# KiCad board Master Timing Card.kicad_pcb
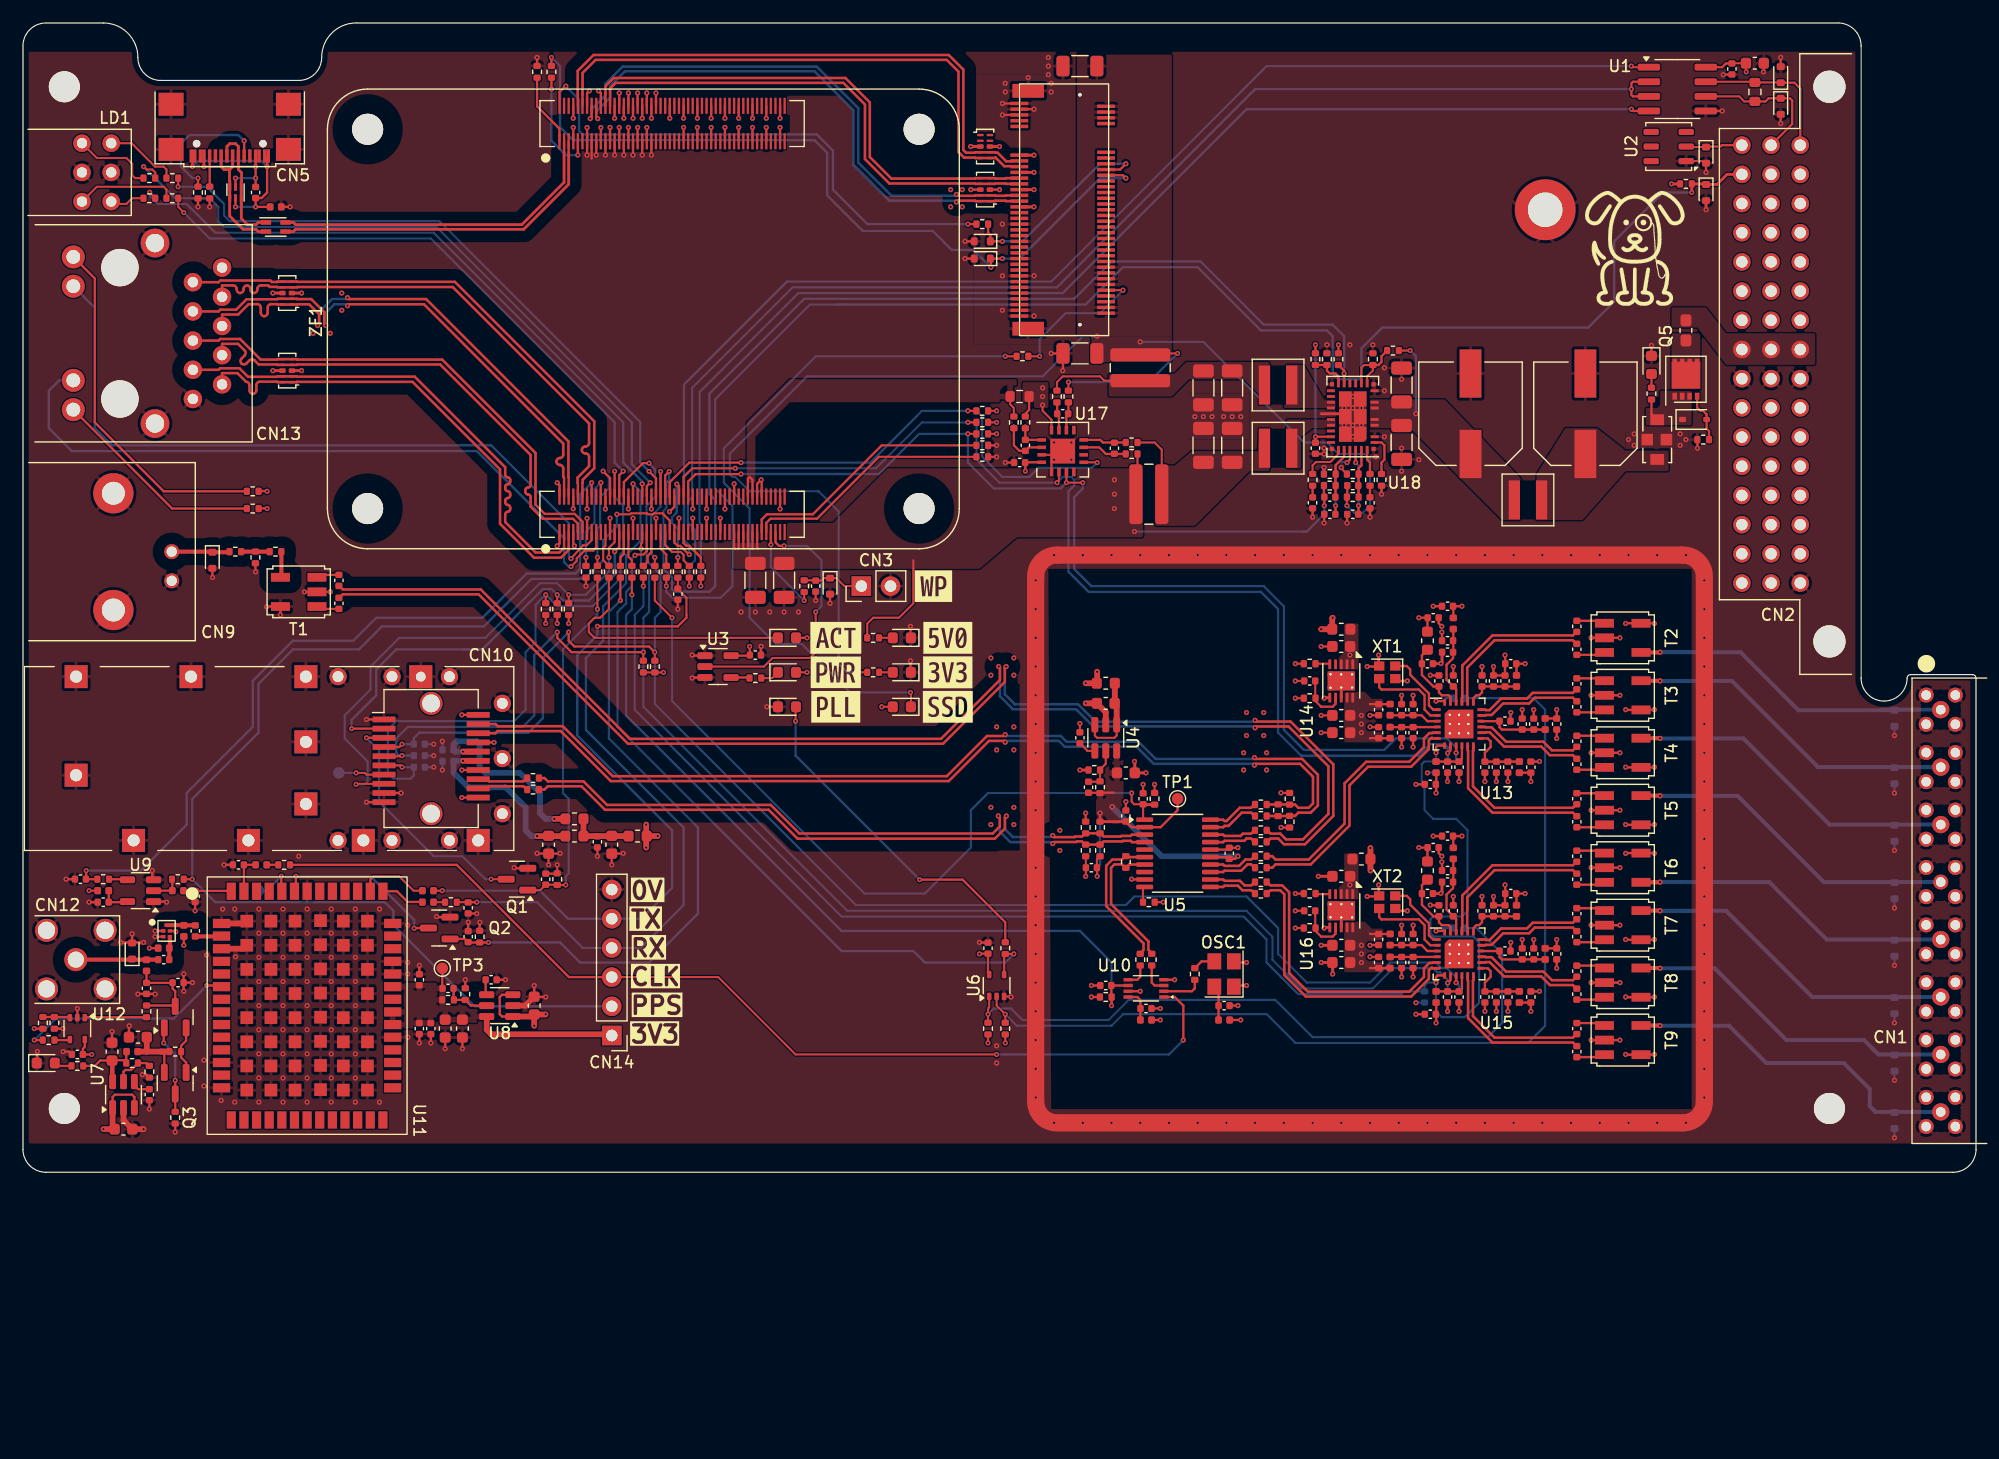
[diagram p0: board, top side]
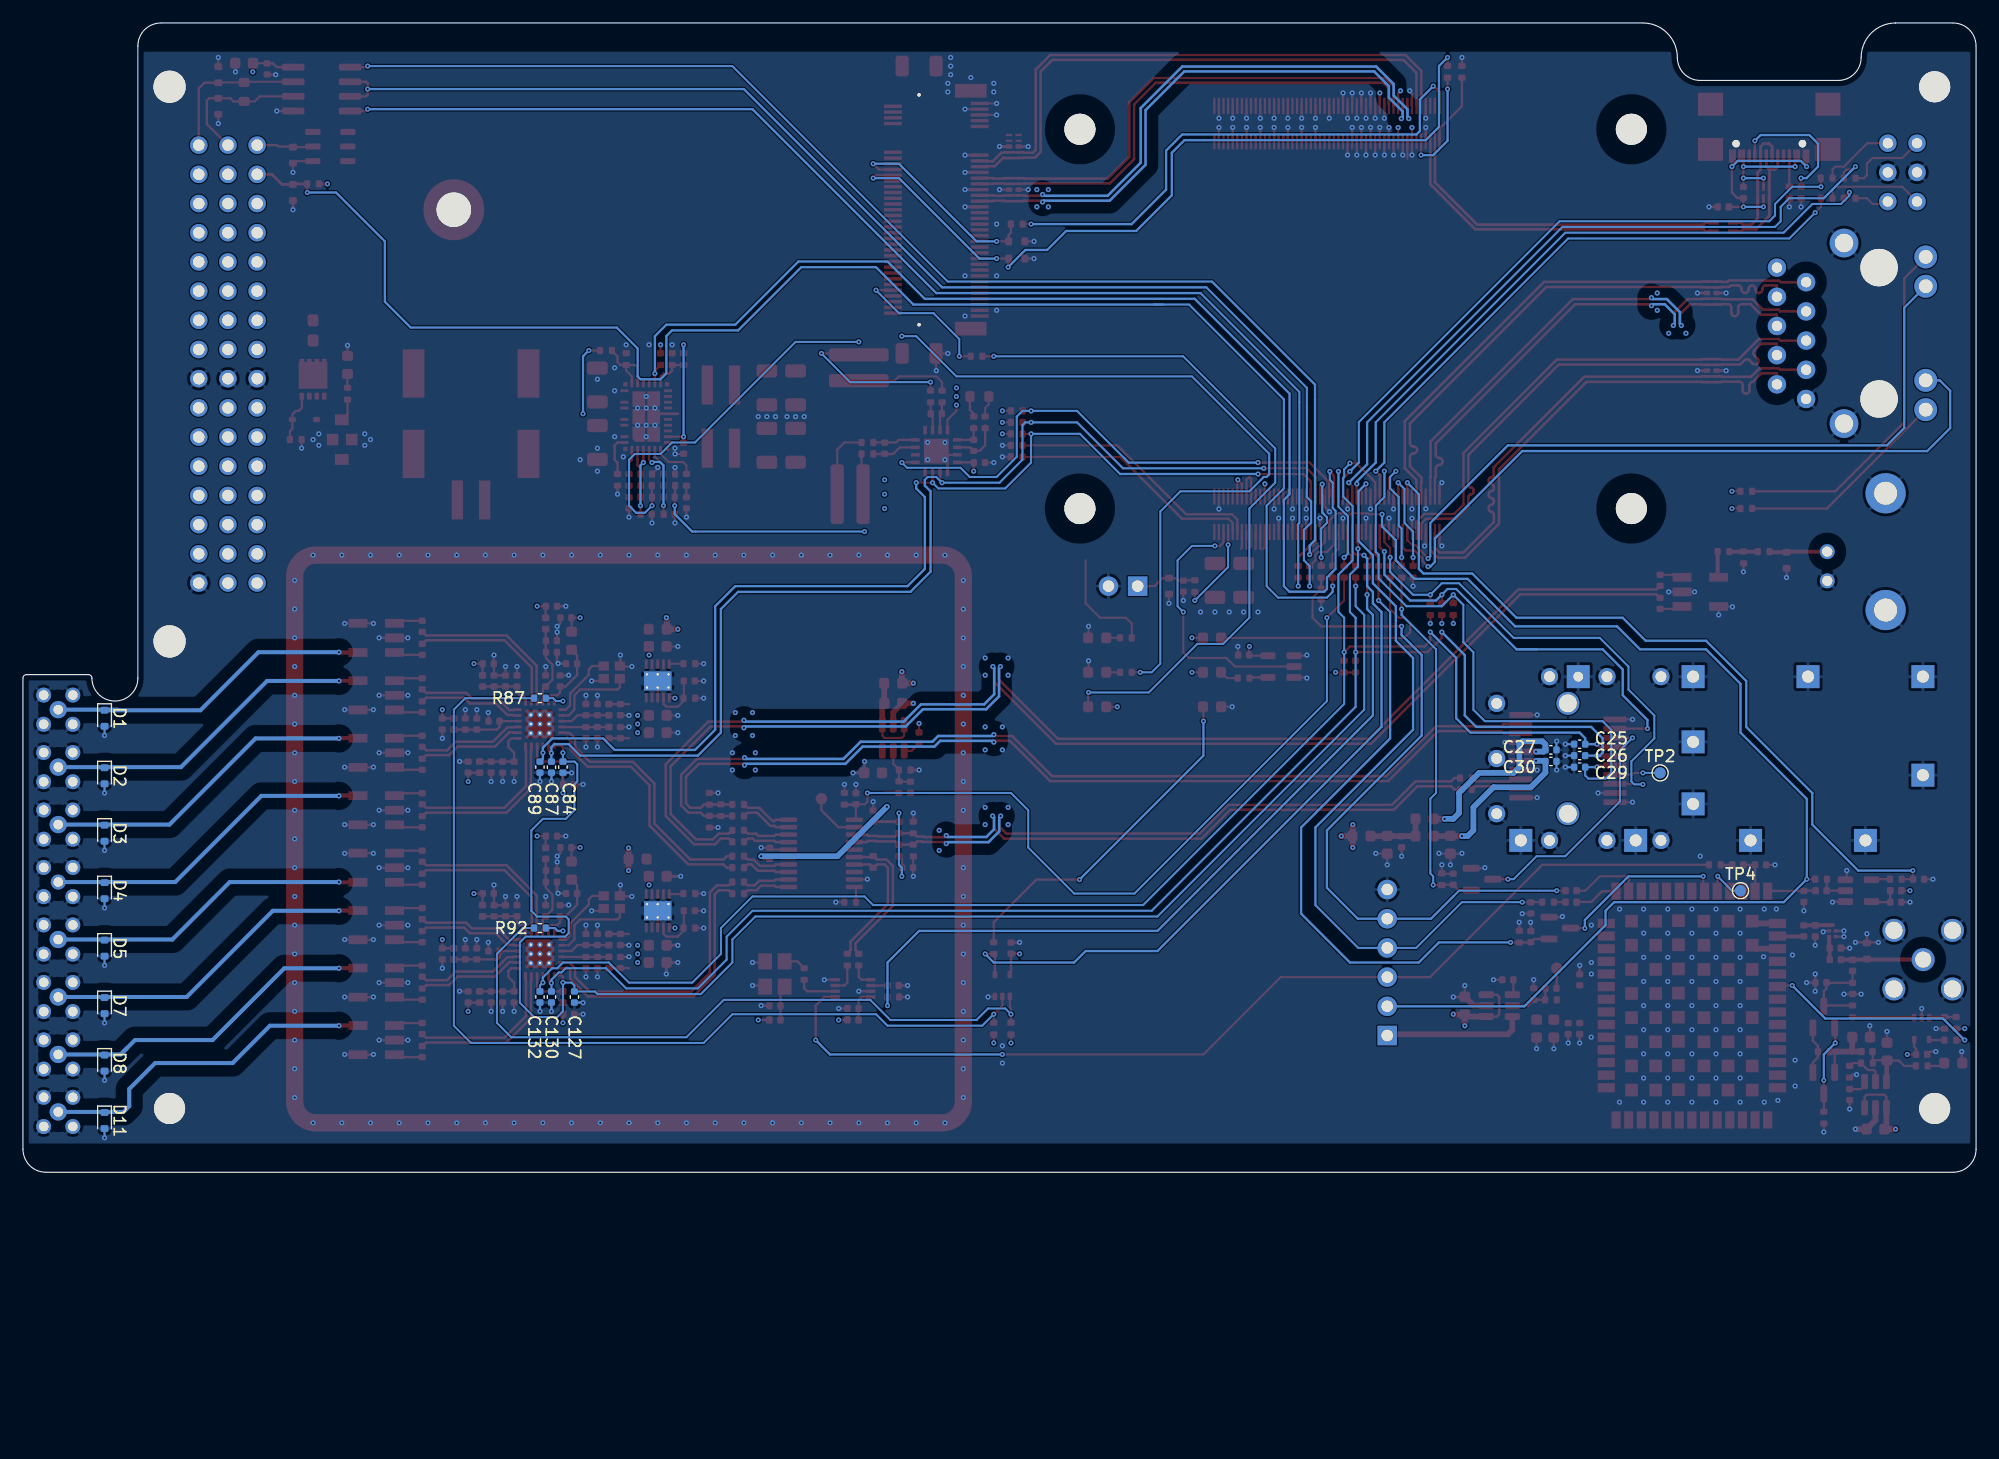
[diagram p1: board, bottom side, seen from below]

Outline 170 x 100 mm; copper layers: Top, In1.Cu, In2.Cu, Bottom. Coordinates in mm from the lower left corner of the outline.
Outline path: 0,98 0,2 arc(0.59,0.59) 2,0 168,0 arc(169.41,0.59) 170,2 170,43 arc(169.91,43.21) 169.7,43.3 164.3,43.3 arc(164.09,43.21) 164,43 arc(163.41,41.59) 162,41 arc(160.59,41.59) 160,43 160,98 arc(159.41,99.41) 158,100 29,100 arc(26.88,99.12) 26,97 arc(25.41,95.59) 24,95 12,95 arc(10.59,95.59) 10,97 arc(9.12,99.12) 7,100 2,100 arc(0.59,99.41) 0,98
Stack: Top 0.035mm / dielectric 0.1mm 7628 er 4.5 / In1.Cu 0.035mm / dielectric 1.2856mm FR4 er 4.5 / In2.Cu 0.035mm / dielectric 0.1mm 7628 er 4.5 / Bottom 0mm

## Placement (name value [footprint] x y rotation side)
C1  10u  [C_0603_1608Metric]  150.75 96.5 0 top
C2  100n  [C_0402_1005Metric]  148.75 96 270 top
C3  100n  [C_0402_1005Metric]  63.75 45 0 top
C4  22u  [C_1206_3216Metric]  63.75 51.5 270 top
C5  22u  [C_1206_3216Metric]  66.25 51.5 270 top
C6  100n  [C_0402_1005Metric]  69 51 270 top
C7  1u  [C_0402_1005Metric]  87.25 63.25 270 top
C8  100n  [C_0402_1005Metric]  20.25 85.25 270 top
C9  22u  [C_1206_3216Metric]  92 71.25 180 top
C10  22u  [C_1206_3216Metric]  92 96.25 180 top
C11  10u  [C_0603_1608Metric]  94.25 40.8 180 top
C12  100n  [C_0402_1005Metric]  92 37.8 90 top
C13  100n  [C_0402_1005Metric]  93 26.5 180 top
C14  15p  [C_0402_1005Metric]  92.75 33.5 90 top
C15  10u  [C_0603_1608Metric]  96 34.75 0 top
C16  100n  [C_0402_1005Metric]  97.5 32.5 90 top
C17  100n  [C_0402_1005Metric]  105 27.75 90 top
C18  100n  [C_0402_1005Metric]  96 31 90 top
C19  100n  [C_0402_1005Metric]  84 19.5 90 top
C20  100n  [C_0402_1005Metric]  27.5 51.5 90 top
C21  100n  [C_0402_1005Metric]  27.5 49.5 270 top
C22  100n  [C_0402_1005Metric]  45.5 25.5 90 top
C23  10u  [C_0603_1608Metric]  51.25 28.5 270 top
C24  100n  [C_0402_1005Metric]  50 28.75 270 top
C25  100p  [C_0402_1005Metric]  34.5 37.25 0 bottom
C26  100p  [C_0402_1005Metric]  34.5 36.25 0 bottom
C27  100n  [C_0402_1005Metric]  37 36.75 180 bottom
C28  10u  [C_0603_1608Metric]  45.75 28.5 270 top
C29  100p  [C_0402_1005Metric]  34.5 35.25 0 bottom
C30  100n  [C_0402_1005Metric]  37 35.75 180 bottom
C31  100p  [C_0402_1005Metric]  5 25.5 180 top
C32  10u  [C_0603_1608Metric]  8.75 3.75 0 top
C33  10u  [C_0603_1608Metric]  44.5 14.5 90 top
C34  100n  [C_0402_1005Metric]  11 6.75 270 top
C35  100n  [C_0402_1005Metric]  40.75 16.75 0 top
C36  100n  [C_0402_1005Metric]  97.75 14.25 0 top
C37  100n  [C_0402_1005Metric]  6.98 23.5 180 top
C38  100n  [C_0402_1005Metric]  94.25 16.25 180 top
C39  100p  [C_0402_1005Metric]  14.98 24 270 top
C40  15p  [C_0402_1005Metric]  37 16 0 top
C41  10u  [C_0603_1608Metric]  7.75 10.5 90 top
C42  10u  [C_0603_1608Metric]  38.25 12.5 270 top
C43  10u  [C_0603_1608Metric]  36.75 12.5 270 top
C44  22p  [C_0402_1005Metric]  18.75 26.75 180 top
C45  100n  [C_0402_1005Metric]  104.55 14.5 0 top
C46  100p  [C_0402_1005Metric]  38.75 23 270 top
C47  100p  [C_0402_1005Metric]  57 50.3 270 top
C48  100n  [C_0402_1005Metric]  38.75 20.5 90 top
C49  10u  [C_0603_1608Metric]  10 11.75 180 top
C50  100n  [C_0402_1005Metric]  34.5 16.75 90 top
C51  100n  [C_0402_1005Metric]  35.5 12.5 270 top
C52  100n  [C_0402_1005Metric]  34.5 12.5 270 top
C53  100n  [C_0402_1005Metric]  13.5 16.5 0 top
C54  4n7  [C_0402_1005Metric]  10.75 16 270 top
C55  47p  [C_0402_1005Metric]  15 21 270 top
C56  100n  [C_0402_1005Metric]  4.73 10.25 180 top
C57  47p  [C_0402_1005Metric]  12.25 18.5 180 top
C58  100n  [C_0402_1005Metric]  124 49.25 180 top
C59  100n  [C_0402_1005Metric]  129.5 44.25 180 top
C60  100n  [C_0402_1005Metric]  133.5 39 270 top
C61  100n  [C_0402_1005Metric]  131.25 35.25 90 top
C62  100n  [C_0402_1005Metric]  118 40.25 270 top
C63  100n  [C_0402_1005Metric]  118 38.25 90 top
C64  100n  [C_0402_1005Metric]  122.75 48.25 0 top
C65  10u  [C_0402_1005Metric]  124 46.25 180 top
C66  10u  [C_0402_1005Metric]  129 42.75 90 top
C67  10u  [C_0402_1005Metric]  131.5 39 90 top
C68  10u  [C_0402_1005Metric]  129.25 35.25 270 top
C69  10u  [C_0402_1005Metric]  120 40.25 90 top
C70  10u  [C_0402_1005Metric]  120 38.25 270 top
C71  10u  [C_0402_1005Metric]  122.25 44.25 0 top
C72  100n  [C_0402_1005Metric]  124 45.25 180 top
C73  100n  [C_0402_1005Metric]  128 42.75 90 top
C74  100n  [C_0402_1005Metric]  130.5 39 90 top
C75  100n  [C_0402_1005Metric]  128.25 35.25 270 top
C76  100n  [C_0402_1005Metric]  121 40.25 90 top
C77  100n  [C_0402_1005Metric]  121 38.25 270 top
C78  100n  [C_0402_1005Metric]  123.25 42.75 90 top
C79  4n7  [C_0402_1005Metric]  124.5 42.75 90 top
C80  4n7  [C_0402_1005Metric]  127 42.75 90 top
C81  4n7  [C_0402_1005Metric]  129 39.25 0 top
C82  4n7  [C_0402_1005Metric]  127.25 35.25 270 top
C83  100n  [C_0402_1005Metric]  122.5 33.75 180 top
C84  100p  [C_0402_1005Metric]  123 35.25 270 bottom
C85  10u  [C_0603_1608Metric]  114.75 45.75 180 top
C86  10u  [C_0402_1005Metric]  124 35.25 270 top
C87  100p  [C_0402_1005Metric]  124 35.25 270 bottom
C88  100n  [C_0402_1005Metric]  125 35.25 270 top
C89  100p  [C_0402_1005Metric]  125 35.25 270 bottom
C90  1u  [C_0402_1005Metric]  112 42.75 180 top
C91  10u  [C_0603_1608Metric]  114.75 39.75 180 top
C92  10u  [C_0603_1608Metric]  114.75 38.25 180 top
C93  100n  [C_0402_1005Metric]  135.25 45.5 270 top
C94  100n  [C_0402_1005Metric]  135.25 47.5 90 top
C95  100n  [C_0402_1005Metric]  135.25 42.5 90 top
C96  100n  [C_0402_1005Metric]  135.25 40.5 270 top
C97  100n  [C_0402_1005Metric]  135.25 37.5 90 top
C98  100n  [C_0402_1005Metric]  135.25 35.5 270 top
C99  100n  [C_0402_1005Metric]  135.25 32.5 90 top
C100  100n  [C_0402_1005Metric]  135.25 30.5 270 top
C101  100n  [C_0402_1005Metric]  124 29.25 180 top
C102  100n  [C_0402_1005Metric]  129.5 24.25 180 top
C103  100n  [C_0402_1005Metric]  133.5 19 270 top
C104  100n  [C_0402_1005Metric]  131.25 15.25 90 top
C105  100n  [C_0402_1005Metric]  118 20.25 270 top
C106  100n  [C_0402_1005Metric]  118 18.25 90 top
C107  100n  [C_0402_1005Metric]  122.75 28.25 0 top
C108  10u  [C_0402_1005Metric]  124 26.25 180 top
C109  10u  [C_0402_1005Metric]  129 22.75 90 top
C110  10u  [C_0402_1005Metric]  131.5 19 90 top
C111  10u  [C_0402_1005Metric]  129.25 15.25 270 top
C112  10u  [C_0402_1005Metric]  120 20.25 90 top
C113  10u  [C_0402_1005Metric]  120 18.25 270 top
C114  10u  [C_0402_1005Metric]  122.25 24.25 0 top
C115  100n  [C_0402_1005Metric]  124 25.25 180 top
C116  100n  [C_0402_1005Metric]  128 22.75 90 top
C117  100n  [C_0402_1005Metric]  130.5 19 90 top
C118  100n  [C_0402_1005Metric]  128.25 15.25 270 top
C119  100n  [C_0402_1005Metric]  121 20.25 90 top
C120  100n  [C_0402_1005Metric]  121 18.25 270 top
C121  100n  [C_0402_1005Metric]  123.25 22.75 90 top
C122  4n7  [C_0402_1005Metric]  124.5 22.75 90 top
C123  4n7  [C_0402_1005Metric]  127 22.75 90 top
C124  4n7  [C_0402_1005Metric]  129 19.25 0 top
C125  4n7  [C_0402_1005Metric]  127.25 15.25 270 top
C126  100n  [C_0402_1005Metric]  122.5 13.75 180 top
C127  100p  [C_0402_1005Metric]  122 15.25 270 bottom
C128  10u  [C_0603_1608Metric]  114.75 25.75 180 top
C129  10u  [C_0402_1005Metric]  124 15.25 270 top
C130  100p  [C_0402_1005Metric]  124 15.25 270 bottom
C131  100n  [C_0402_1005Metric]  125 15.25 270 top
C132  100p  [C_0402_1005Metric]  125 15.25 270 bottom
C133  1u  [C_0402_1005Metric]  112 22.75 180 top
C134  10u  [C_0603_1608Metric]  114.75 19.75 180 top
C135  10u  [C_0603_1608Metric]  114.75 18.25 180 top
C136  100n  [C_0402_1005Metric]  135.25 25.5 270 top
C137  100n  [C_0402_1005Metric]  135.25 27.5 90 top
C138  100n  [C_0402_1005Metric]  135.25 22.5 90 top
C139  100n  [C_0402_1005Metric]  135.25 20.5 270 top
C140  100n  [C_0402_1005Metric]  135.25 17.5 90 top
C141  100n  [C_0402_1005Metric]  135.25 15.5 270 top
C142  100n  [C_0402_1005Metric]  135.25 12.5 90 top
C143  100n  [C_0402_1005Metric]  135.25 10.5 270 top
C144  220u  [Wurth_WCAP-HSG5_8x10.5mm_SM]  136 66 270 top
C146  220u  [Wurth_WCAP-HSG5_8x10.5mm_SM]  126 66 270 top
C147  10u  [C_1206_3216Metric]  120 68.5 90 top
C148  10u  [C_1206_3216Metric]  120 63.5 270 top
C149  1u  [C_0402_1005Metric]  112.5 63 270 top
C150  10n  [C_0402_1005Metric]  113.75 57.25 180 top
C151  10n  [C_0402_1005Metric]  115.75 57.25 180 top
C152  220p  [C_0402_1005Metric]  112.25 58.25 270 top
C153  220p  [C_0402_1005Metric]  117.25 58.25 270 top
C154  100n  [C_0402_1005Metric]  86.75 61.75 180 top
C155  47u  [C_1206_3216Metric]  105.25 63.25 90 top
C156  47u  [C_1206_3216Metric]  102.75 68.25 270 top
C157  47u  [C_1206_3216Metric]  102.75 63.25 90 top
C158  47u  [C_1206_3216Metric]  105.25 68.25 270 top
C159  10p  [C_0402_1005Metric]  113.75 58.75 0 top
C160  10p  [C_0402_1005Metric]  115.75 59.75 0 top
C161  1u  [C_0402_1005Metric]  95 63 270 top
C162  1u  [C_0402_1005Metric]  90.5 66 0 top
CN1  Samtec GRF1-J-P-08-E-RA-TH1  [Samtec_GRF1-J-P-08-E-RA-TH1]  166.93 22.75 270 top
CN2  Amphenol 86093488613755E1LF  [DIN41612_R_03x16_Receptacle_RA_Amphenol_86093488613755E1LF]  152.16 70.32 90 top
CN3  Harwin M20-9990246  [PinHeader_1x02_P2.54mm_Vertical]  72.97 51 90 top  (not fitted)
CN4  ~  [Hirose_DF40C-100DS-0.4V]  56.5 57.25 90 top
CN5  USB4110-GF-A  [USB-C_GCT_USB4110-GF-A]  18 95.78 180 top
CN6  ~  [Hirose_DF40C-100DS-0.4V_pins-101-200]  56.5 91.25 90 top
CN7  TE 1-2199230-6  [TE_1-2199230-6]  90.5 83.75 90 top
CN8  M2 x 2.5mm  [Standoff_Wurth_9774025243R]  132.5 83.75 90 top
CN9  731385033  [BNC_Molex_731385033]  0 54 270 top
CN10  U77-A1114-30L1  [Amphenol_U77-A1114-30L1]  35.53 36 0 top
CN11  UE75-A20-6000T  [Amphenol_UE75-A20-6000T]  35.53 36 0 top
CN12  CONSMA002-L-G  [SMA_Linx_CONSMA002-L-G_Horizontal]  4.6 18.5 90 top
CN13  1-2301994-2  [TE_1-2301994-2]  0 73 270 top
CN14  M20-9990446  [PinHeader_1x06_P2.54mm_Vertical]  51.25 11.9 180 top  (not fitted)
D1  5V0  [D_SOD-523]  162.9 39.5 270 bottom
D2  5V0  [D_SOD-523]  162.9 34.5 270 bottom
D3  5V0  [D_SOD-523]  162.9 29.5 270 bottom
D4  5V0  [D_SOD-523]  162.9 24.5 270 bottom
D5  5V0  [D_SOD-523]  162.9 19.5 270 bottom
D6  3V3  [D_SOD-523]  146.5 88.5 270 top
D7  5V0  [D_SOD-523]  162.9 14.5 270 bottom
D8  5V0  [D_SOD-523]  162.9 9.5 270 bottom
D9  3V3  [D_SOD-523]  153 92.75 270 top
D10  3V3  [D_SOD-523]  153 95.5 90 top
D11  5V0  [D_SOD-523]  162.9 4.5 270 bottom
D12  3V3  [D_SOD-523]  70.25 51 270 top
D13  USBULC6-2M6  [TVS_ST_USBLC6-2M6]  18.5 85.25 0 top
D14  -  [TPD4E05U06DQA]  83.75 89.25 0 top
D15  3V3  [D_SOD-523]  83.5 79.5 180 top
D16  3V3  [D_SOD-523]  83.5 81 180 top
D17  -  [TPD4E05U06DQA]  83.75 85.5 180 top
D18  5V0  [D_SOD-523]  16.48 53.25 270 top
D19  5V0  [D_SOD-523]  9.5 19.25 90 top
D20  -  [TPD4E05U06DQA]  23 69.75 180 top
D21  -  [TPD4E05U06DQA]  23 76.5 180 top
D22  3V3  [D_SOD-523]  146.5 85.25 270 top
F1  1A  [Fuse_0603_1608Metric_Pad1.05x0.95mm_HandSolder]  144.75 73.25 270 top
FB1  1k8  [L_0402_1005Metric]  22 84 180 top
FB2  600R  [L_0603_1608Metric]  94.25 42.55 0 top
FB3  600R  [L_0603_1608Metric]  53.5 29.25 180 top
FB4  1k8  [L_0402_1005Metric]  97.75 13.25 0 top
FB5  1k8  [L_0402_1005Metric]  13.48 24.5 0 top
FB6  1k8  [L_0402_1005Metric]  6.98 24.5 180 top
FB7  1k8  [L_0402_1005Metric]  20.73 26.75 180 top
FB8  1k8  [L_0402_1005Metric]  104.55 13.25 0 top
FB9  1k8  [L_0402_1005Metric]  9.5 10.5 180 top
FB10  1k8  [L_0402_1005Metric]  35.25 23.5 180 top
FB11  1k8  [L_0402_1005Metric]  35.25 24.5 180 top
FB12  1k8  [L_0402_1005Metric]  124.5 47.75 270 top
FB13  1k8  [L_0402_1005Metric]  130 42.75 270 top
FB14  1k8  [L_0402_1005Metric]  132.5 39 270 top
FB15  1k8  [L_0402_1005Metric]  130.25 35.25 90 top
FB16  1k8  [L_0402_1005Metric]  119 40.25 270 top
FB17  1k8  [L_0402_1005Metric]  119 38.25 90 top
FB18  600R  [L_0603_1608Metric]  122.25 46.25 270 top
FB19  600R  [L_0603_1608Metric]  114.75 47.25 0 top
FB20  1k8  [L_0402_1005Metric]  123 35.25 90 top
FB21  1k8  [L_0402_1005Metric]  124.5 27.75 270 top
FB22  1k8  [L_0402_1005Metric]  130 22.75 270 top
FB23  1k8  [L_0402_1005Metric]  132.5 19 270 top
FB24  1k8  [L_0402_1005Metric]  130.25 15.25 90 top
FB25  1k8  [L_0402_1005Metric]  119 20.25 270 top
FB26  1k8  [L_0402_1005Metric]  119 18.25 90 top
FB27  600R  [L_0603_1608Metric]  122.25 26.25 270 top
FB28  600R  [L_0603_1608Metric]  116.5 27.25 180 top
FB29  1k8  [L_0402_1005Metric]  123 15.25 90 top
FL1  90R  [L_CommonMode_Wurth_WE-CNSW_0805]  22 82.25 0 top
FL2  B39162B8389P810  [Qualcomm_B8389]  12.5 21 270 top
FL3  NFM31HK153R1H3  [Murata_NFM31HK]  142.25 63.75 270 top
H1  ~  [Logo_10mmx10mm]  140.25 80.25 0 top
kibuzzard-65AD1202  G***  [kibuzzard-65AD1202]  79.25 51 0 top
kibuzzard-659AFBA2  G***  [kibuzzard-659AFBA2]  70.75 40.5 0 top
kibuzzard-659AFBAF  G***  [kibuzzard-659AFBAF]  80.5 40.5 0 top
kibuzzard-6592FD48  G***  [kibuzzard-6592FD48]  80.5 43.5 0 top
kibuzzard-6592FD68  G***  [kibuzzard-6592FD68]  80.5 46.5 0 top
kibuzzard-6592FE8C  G***  [kibuzzard-6592FE8C]  70.75 46.5 0 top
kibuzzard-6592FEA1  G***  [kibuzzard-6592FEA1]  70.75 43.5 0 top
L1  1u0  [L_0603_1608Metric]  48 30.75 180 top
L2  1u0  [L_0603_1608Metric]  48 29.25 180 top
L3  5n1  [L_0402_1005Metric]  14 21 270 top
L4  5n1  [L_0402_1005Metric]  12.25 19.5 180 top
L5  47n  [L_0402_1005Metric]  10.75 18 90 top
L6  2u2  [Coilcraft_XEL4030]  131 58.5 180 top
L7  2u2  [Coilcraft_XEL4030]  109.25 63 180 top
L8  2u2  [Coilcraft_XEL4030]  109.25 68.5 180 top
LAYOUT1  2.7mm NPTH  [MountingHole_2.7mm]  3.6 94.45 0 top
LAYOUT2  2.7mm NPTH  [MountingHole_2.7mm]  3.6 5.55 0 top
LAYOUT3  2.7mm NPTH  [MountingHole_2.7mm]  157.24 5.55 0 top
LD1  WP130WCP_2EGW  [Kingbright_WP130WCP_2EGW]  7.68 87 270 top
LD2  Red  [LED_0603_1608Metric]  66.5 43.5 0 top
LD3  Green  [LED_0603_1608Metric]  66.5 46.5 0 top
LD4  Green  [LED_0603_1608Metric]  76.5 40.5 180 top
LD5  Green  [LED_0603_1608Metric]  66.5 40.5 0 top
LD6  Green  [LED_0603_1608Metric]  1.98 9.5 0 top
LD7  Green  [LED_0603_1608Metric]  141.75 70.25 270 top
LD8  Green  [LED_0603_1608Metric]  76.5 46.5 180 top
LD9  Green  [LED_0603_1608Metric]  76.5 43.5 180 top
OSC1  10MHz  [Crystal_SMD_3225-4Pin_3.2x2.5mm]  104.55 17.25 90 top
Q1  DMN62D0U-7  [SOT-23]  43 25.5 180 top
Q2  DMN62D0U-7  [SOT-23]  36.23 21.25 180 top
Q3  MMBT2907A-7-F  [SOT-23]  13.25 7.75 270 top
Q4  MMBT2907A-7-F  [SOT-23]  13.25 13.5 90 top
Q5  TSM085P03CV RGG  [PDFN33-8]  144.75 69 90 top
R1  1k0  [R_0402_1005Metric]  13 86.5 180 top
R2  1k0  [R_0402_1005Metric]  11 84.75 180 top
R3  1k0  [R_0402_1005Metric]  11 86.5 180 top
R4  1k0  [R_0402_1005Metric]  13 84.75 180 top
R5  120R  [R_0603_1608Metric]  150.75 94 270 top  (not fitted)
R6  1k0  [R_0402_1005Metric]  63.75 43 180 top
R7  4k7  [R_0402_1005Metric]  83.5 64.25 180 top
R8  4k7  [R_0402_1005Metric]  83.5 65.25 180 top
R9  33R  [R_0402_1005Metric]  57 52.25 270 top
R10  4k7  [R_0402_1005Metric]  55 44 90 top
R11  4k7  [R_0402_1005Metric]  54 44 90 top
R12  100R  [R_0402_1005Metric]  53 52.25 90 top
R13  33R  [R_0402_1005Metric]  59 52.25 270 top
R14  0R0  [R_0402_1005Metric]  83.5 63.25 180 top
R15  0R0  [R_0402_1005Metric]  83.5 62.25 180 top
R16  100R  [R_0402_1005Metric]  68 51 90 top
R17  4k7  [R_0402_1005Metric]  46.5 49 90 top
R18  100R  [R_0402_1005Metric]  52 52.25 270 top
R19  100R  [R_0402_1005Metric]  55 52.25 270 top
R20  100R  [R_0402_1005Metric]  58 52.25 270 top
R21  100R  [R_0402_1005Metric]  54 52.25 270 top
R22  100R  [R_0402_1005Metric]  50 52.25 270 top
R23  100R  [R_0402_1005Metric]  56 52.25 270 top
R24  0R0  [R_0402_1005Metric]  49 52.25 270 top  (not fitted)
R25  4k7  [R_0402_1005Metric]  45.5 49 90 top
R26  4k7  [R_0402_1005Metric]  47.5 49 90 top
R27  1k0  [R_0402_1005Metric]  51 52.25 90 top
R28  150m  [R_0603_1608Metric]  86.75 67.5 0 top
R29  6R8  [R_0402_1005Metric]  87.25 65.25 270 top
R30  6R8  [R_0402_1005Metric]  86.25 65.25 270 top
R31  5k1  [R_0402_1005Metric]  15.23 85.25 270 top
R32  5k1  [R_0402_1005Metric]  16.25 85.25 270 top
R33  0R0  [R_0402_1005Metric]  44.75 95.75 270 top
R34  100R  [R_0402_1005Metric]  46 95.75 90 top
R35  100R  [R_0402_1005Metric]  83.5 82.5 0 top
R36  1k0  [R_0402_1005Metric]  87 71 0 top
R37  82R  [R_0402_1005Metric]  92.5 30 90 top
R38  130R  [R_0402_1005Metric]  93.75 30 270 top
R39  82R  [R_0402_1005Metric]  92.5 28 270 top
R40  130R  [R_0402_1005Metric]  93.75 28 90 top
R41  22k  [R_0402_1005Metric]  93.75 33.5 90 top
R42  13k  [R_0402_1005Metric]  93.25 35 180 top
R43  10k  [R_0402_1005Metric]  98.5 32.5 90 top
R44  100R  [R_0402_1005Metric]  96 27 270 top
R45  10k  [R_0402_1005Metric]  85.5 12.5 90 top
R46  475R  [R_0402_1005Metric]  98 23.5 0 top
R47  10k  [R_0402_1005Metric]  84 12.5 90 top
R48  10k  [R_0402_1005Metric]  85.5 19.5 270 top
R49  33R  [R_0402_1005Metric]  107.75 32 0 top
R50  33R  [R_0402_1005Metric]  107.75 31 0 top
R51  140R  [R_0402_1005Metric]  109.25 31.5 270 top
R52  180R  [R_0402_1005Metric]  110.25 32.5 270 top
R53  180R  [R_0402_1005Metric]  110.25 30.5 270 top
R54  33R  [R_0402_1005Metric]  107.75 29.75 0 top
R55  33R  [R_0402_1005Metric]  107.75 28.75 0 top
R56  33R  [R_0402_1005Metric]  107.75 27.5 0 top
R57  33R  [R_0402_1005Metric]  107.75 26.5 0 top
R58  33R  [R_0402_1005Metric]  107.75 25.25 0 top
R59  33R  [R_0402_1005Metric]  107.75 24.25 0 top
R60  10k  [R_0402_1005Metric]  46.5 25.5 90 top
R61  20R  [R_0402_1005Metric]  21.98 54 180 top
R62  51R  [R_0402_1005Metric]  20.23 53.5 270 top
R63  20R  [R_0402_1005Metric]  18.48 54 180 top
R64  10R  [R_0402_1005Metric]  44.4 33.3 180 top
R65  10R  [R_0402_1005Metric]  44.4 34.3 180 top
R66  33R  [R_0402_1005Metric]  6.98 25.5 0 top
R67  33R  [R_0402_1005Metric]  97.25 18.5 270 top
R68  33R  [R_0402_1005Metric]  98.25 18.5 270 top
R69  33R  [R_0402_1005Metric]  13.48 25.5 180 top
R70  22k  [R_0402_1005Metric]  9.5 9.5 0 top
R71  7k5  [R_0402_1005Metric]  11 8.75 270 top
R72  22k  [R_0402_1005Metric]  37 15 0 top
R73  13k  [R_0402_1005Metric]  38.5 15.5 90 top
R74  10k  [R_0402_1005Metric]  94.25 15.25 180 top
R75  33R  [R_0402_1005Metric]  22.73 26.75 180 top
R76  4k7  [R_0402_1005Metric]  4.73 9.25 180 top
R77  33R  [R_0402_1005Metric]  37.25 23.5 0 top
R78  10k  [R_0402_1005Metric]  39.75 20.5 90 top
R79  33R  [R_0402_1005Metric]  102 17.25 90 top
R80  1k0  [R_0402_1005Metric]  13.25 4.75 270 top
R81  10R  [R_0402_1005Metric]  13.25 10.5 0 top
R82  10k  [R_0402_1005Metric]  1.73 13 90 top
R83  22k  [R_0402_1005Metric]  2.73 13 270 top
R84  100R  [R_0402_1005Metric]  10.75 14 270 top
R85  10k  [R_0402_1005Metric]  2.23 11.5 180 top
R86  330R  [R_0402_1005Metric]  112 44.25 180 top
R87  100R  [R_0402_1005Metric]  125 41.25 0 bottom
R88  18k  [R_0402_1005Metric]  112 41.25 180 top
R89  1k0  [R_0402_1005Metric]  20 59.25 180 top
R90  1k0  [R_0402_1005Metric]  20 57.75 180 top
R91  330R  [R_0402_1005Metric]  112 24.25 180 top
R92  100R  [R_0402_1005Metric]  125 21.25 0 bottom
R93  18k  [R_0402_1005Metric]  112 21.25 180 top
R94  10k  [R_0402_1005Metric]  146.25 63.75 180 top
R95  47k  [R_0402_1005Metric]  141.75 67.75 90 top
R96  4k7  [R_0402_1005Metric]  144.75 86 0 top
R97  120k  [R_0402_1005Metric]  119.25 71.5 180 top
R98  10k  [R_0402_1005Metric]  117.5 70.75 90 top
R99  0R0  [R_0402_1005Metric]  112.5 70.75 270 top  (not fitted)
R100  0R0  [R_0402_1005Metric]  113.5 70.75 90 top
R101  15k  [R_0402_1005Metric]  112.25 60.25 90 top
R102  15k  [R_0402_1005Metric]  117.25 60.25 90 top
R103  15k  [R_0402_1005Metric]  118.25 60.25 270 top
R104  100k  [R_0402_1005Metric]  83.5 66.25 180 top
R105  100k  [R_0402_1005Metric]  114.5 70.75 270 top
R106  56m  [R_1020_2550Metric]  98 59 180 top